# Altium PCB C210.PcbDoc (part 8 of 8)
Units mm, origin at the board's own origin, x right, y up, seen from the top; angles counter-clockwise.
Board outline 68 x 129.25 mm, 6 copper layers (L1, L2, L3, L4, L5, L6), stack 1.547 mm thick; 512 components, 298 nets, 1774 pads, 1892 vias.
Unrouted connection lines stored in the file: 306.
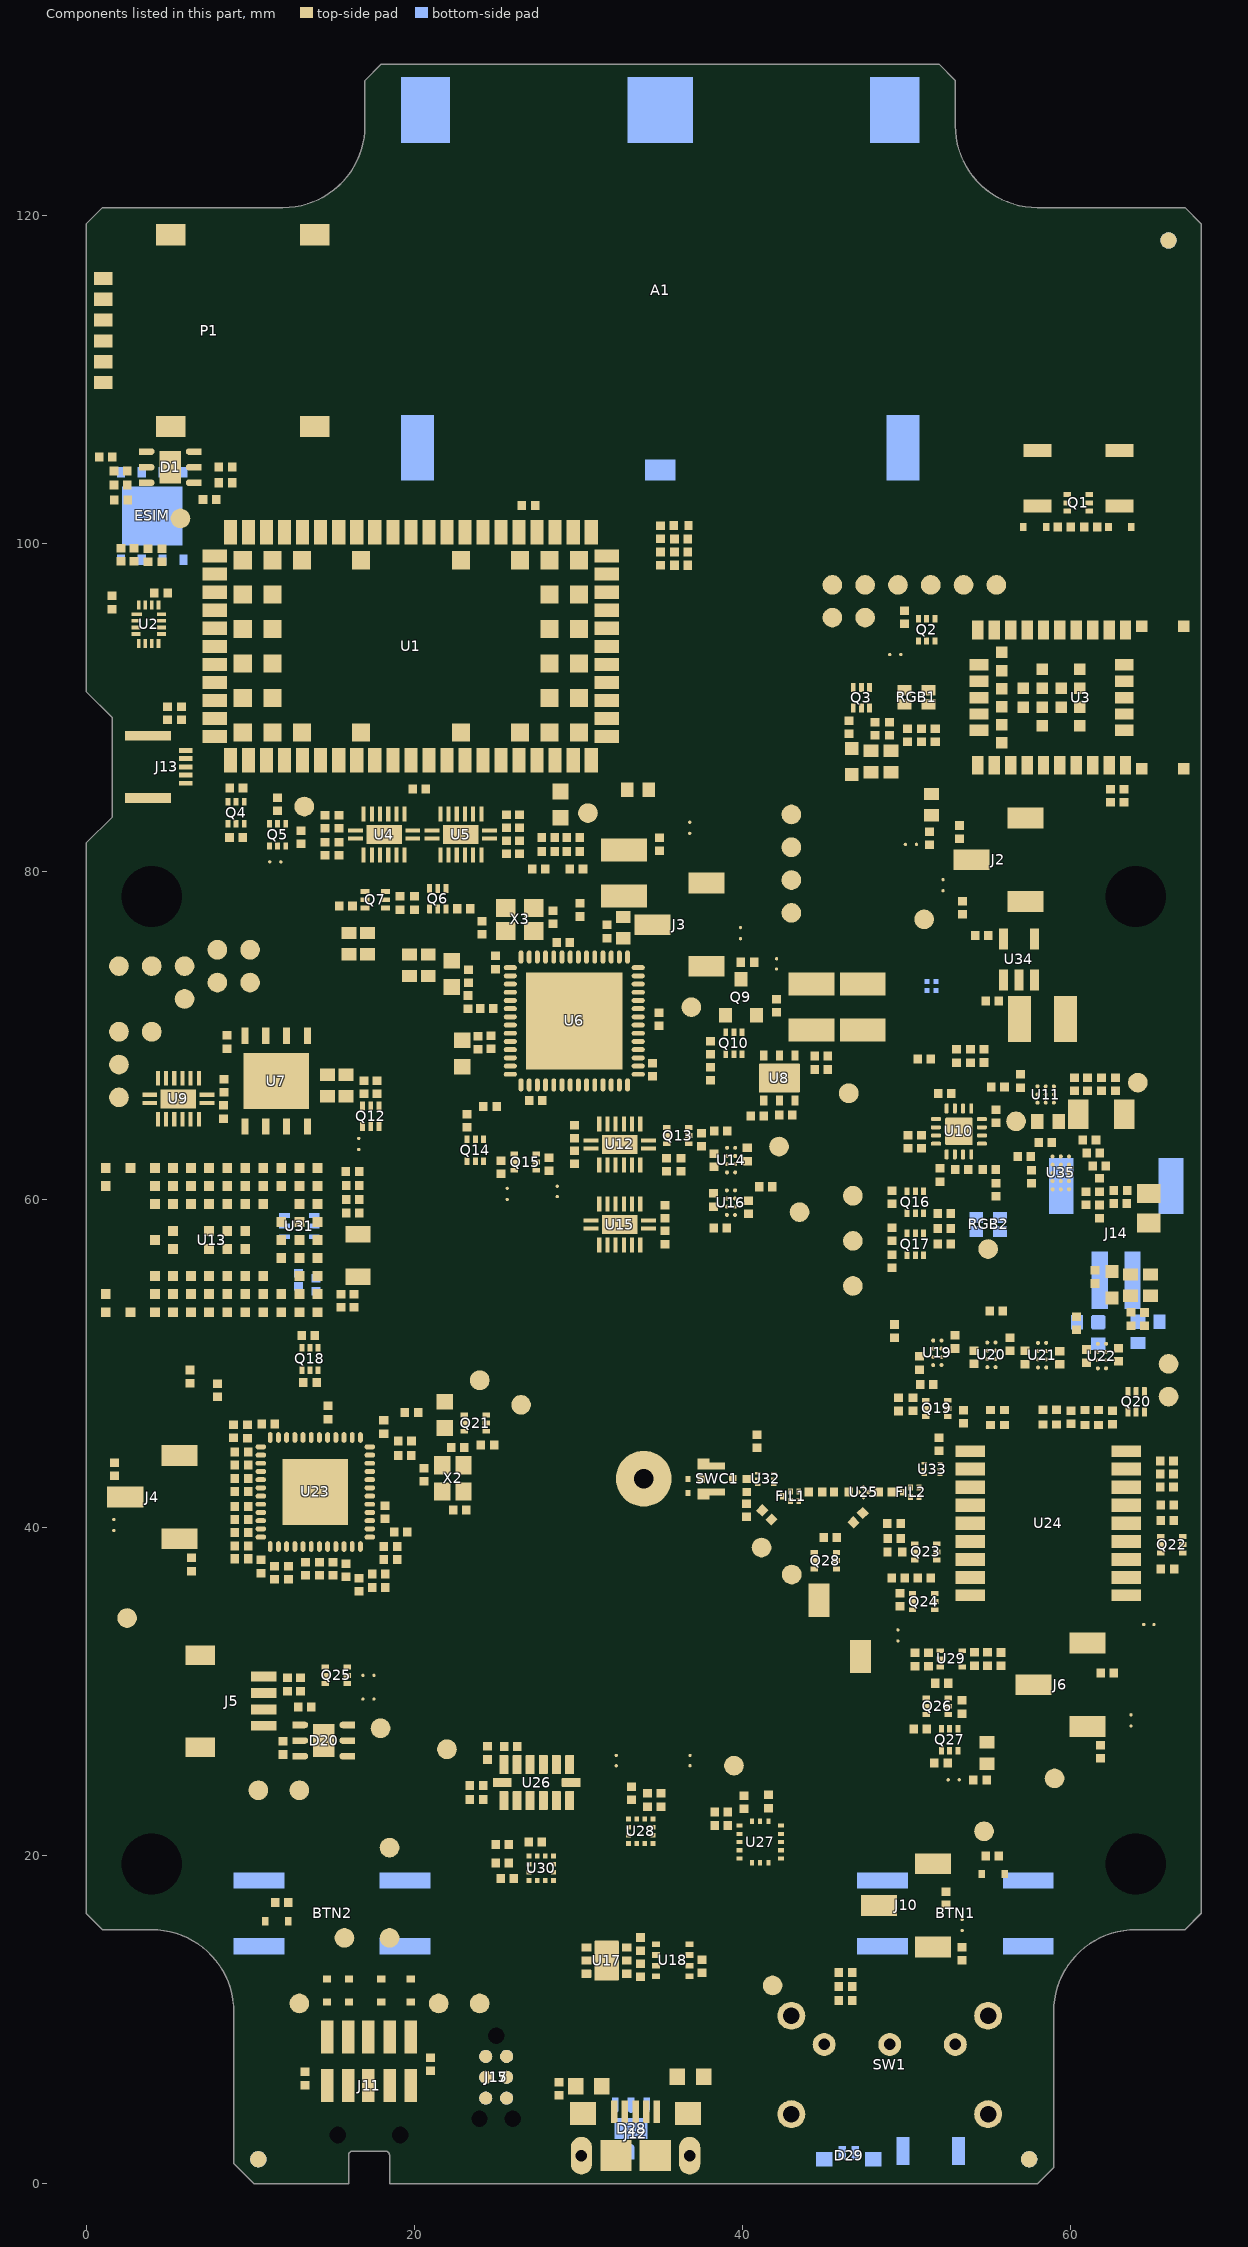
[diagram p12: the components of this part, seen from the top]

## Silkscreen, mask and mechanical layers (free items; w line width, h text height) (continued)
Drill Drawing:
  circle w0.254: c92.667,113.897 r0.443
  circle w0.254: c92.667,113.897 r0.739
  rectangle: 204.513,-2.528 209.339,-0.115
  lines w0.2: 204.513,-2.528 227.881,-2.528 227.881,-0.115 204.513,-0.115 204.513,-2.528
  lines w0.254: 91.928,89.886 92.667,90.255 93.406,89.886 93.036,90.625 93.406,91.363 92.667,90.994 91.928,91.363 92.297,90.625 91.928,89.886 ; 91.928,93.58 92.297,93.58 92.667,93.21 93.036,93.58 93.406,93.58 93.036,93.949 93.406,94.319 93.036,94.319 92.667,94.688 92.297,94.319 91.928,94.319 92.297,93.949 91.928,93.58 ; 91.928,96.535 93.406,96.535 93.406,98.013 91.928,98.013 91.928,96.535 ; 91.928,100.599 92.667,99.86 93.406,100.599 92.667,101.337 91.928,100.599 ; 91.928,103.554 92.297,103.554 92.297,103.185 93.036,103.185 93.036,103.554 93.406,103.554 93.406,104.293 93.036,104.293 93.036,104.662 92.297,104.662 92.297,104.293 91.928,104.293 91.928,103.554 ; 91.928,106.509 93.406,106.509 93.406,107.987 91.928,107.987 91.928,106.509 ; 91.928,109.834 91.928,110.203 92.297,110.573 91.928,110.942 91.928,111.312 92.297,111.312 92.667,110.942 93.036,111.312 93.406,111.312 93.406,110.942 93.036,110.573 93.406,110.203 93.406,109.834 93.036,109.834 92.667,110.203 92.297,109.834 91.928,109.834 ; 92.224,106.805 93.11,106.805 93.11,107.691 92.224,107.691 92.224,106.805
  lines w0.381: 90.593,88.888 207.281,88.888 ; 90.593,115.486 207.281,115.486 ; 102.906,85.564 102.906,118.811 ; 118.477,85.564 118.477,118.811 ; 148.405,85.564 148.405,118.811 ; 159.721,85.564 159.721,118.811 ; 176.089,85.564 176.089,118.811 ; 90.593,85.564 207.281,85.564 207.281,118.811 90.593,118.811 90.593,85.564
  text "All drill holes and slots are +/- 5mil tolerance" at 92.45,119.525 h1.52
  text "Symbol" at 92.588,116.483 h1.6
  text "Hit Count" at 103.904,116.483 h1.6
  text "Finished Hole Size" at 119.474,116.483 h1.6
  text "Plated" at 149.402,116.483 h1.6
  text "Hole Type" at 160.719,116.483 h1.6
  text "Routed Path Length" at 177.087,116.483 h1.6
  text "1892" at 103.904,113.159 h1.33
  text "0.305mm (12.00mil)" at 119.474,113.159 h1.33
  text "PTH" at 149.402,113.159 h1.33
  text "Round" at 160.719,113.159 h1.33
  text "-" at 177.087,113.159 h1.33
  text "3" at 103.904,109.834 h1.33
  text "0.700mm (27.56mil)" at 119.474,109.834 h1.33
  text "PTH" at 149.402,109.834 h1.33
  text "Round" at 160.719,109.834 h1.33
  text "-" at 177.087,109.834 h1.33
  text "2" at 103.904,106.509 h1.33
  text "0.700mm (27.56mil)" at 119.474,106.509 h1.33
  text "PTH" at 149.402,106.509 h1.33
  text "Slot" at 160.719,106.509 h1.33
  text "1.000mm (39.37mil)" at 177.087,106.509 h1.33
  text "3" at 103.904,103.185 h1.33
  text "1.000mm (39.37mil)" at 119.474,103.185 h1.33
  text "NPTH" at 149.402,103.185 h1.33
  text "Round" at 160.719,103.185 h1.33
  text "-" at 177.087,103.185 h1.33
  text "4" at 103.904,99.86 h1.33
  text "1.000mm (39.37mil)" at 119.474,99.86 h1.33
  text "PTH" at 149.402,99.86 h1.33
  text "Round" at 160.719,99.86 h1.33
  text "-" at 177.087,99.86 h1.33
  text "2" at 103.904,96.535 h1.33
  text "1.020mm (40.16mil)" at 119.474,96.535 h1.33
  text "NPTH" at 149.402,96.535 h1.33
  text "Round" at 160.719,96.535 h1.33
  text "-" at 177.087,96.535 h1.33
  text "1" at 103.904,93.21 h1.33
  text "1.200mm (47.24mil)" at 119.474,93.21 h1.33
  text "PTH" at 149.402,93.21 h1.33
  text "Round" at 160.719,93.21 h1.33
  text "-" at 177.087,93.21 h1.33
  text "4" at 103.904,89.886 h1.33
  text "3.700mm (145.67mil)" at 119.474,89.886 h1.33
  text "NPTH" at 149.402,89.886 h1.33
  text "Round" at 160.719,89.886 h1.33
  text "-" at 177.087,89.886 h1.33
  text "1911 Total" at 103.904,86.561 h1.33
  text "Slot definitions :" at 92.588,83.283 h1.33
  text "Routed Path Length" at 115.567,83.283 h1.33
  text "= Calculated from tool start centre position to tool end centre position." at 140.098,83.283 h1.33
  text "Hole Length" at 115.567,81.002 h1.33
  text "= Routed Path Length + Tool Size = Slot length as defined in the PCB layout" at 131.014,81.002 h1.33
  text ".Layer_Name" at 211.117,-1.842 h1.02
Ground Plane 1:
  pour cut-out: 21.488,49.216 21.488,50.451 cw(c24.028,50.451) 24.028,52.991 43.923,52.991 cw(c43.923,50.451) 46.463,50.451 46.463,30.465 cw(c43.923,30.465) 43.923,27.925 23.928,27.925 cw(c23.928,30.465) 21.388,30.465 21.388,32.291
  region: 34.075,105.15 34.075,103.85 35.925,103.85 35.925,105.15
  region: 33.025,128.45 33.025,124.45 36.984,124.45 36.984,128.45
  region: 47.8,128.45 47.8,124.45 50.8,124.45 50.8,128.45
  region: 19.2,128.45 19.2,124.45 22.2,124.45 22.2,128.45
  region: 48.8,107.85 50.8,107.85 50.8,103.85 48.8,103.85
  region: 19.2,107.85 21.2,107.85 21.2,103.85 19.2,103.85
  pour cut-out: 8.525,101.975 59.525,101.975 59.525,68.988 8.525,68.988
  lines w0.127: 33,40.5 35,40.5 ; 33.988,39.5 33.988,41.5 34.037,41.5 ; 19,103.8 19,128.8 51,128.8 51,103.8 19,103.8
  text "PCS.66.A" at 29.875,117.827 h3
  text "2.4GHz antenna / (WiFi)" at 65.775,88.775 h3
  text "Extents of 51x33x6mm Li-ion pack on antenna (PCB bottom, but product top) side. / Ground Plane continuous through this area." at 10.575,87.525 h3
  text "2.4GHz antenna / (BLE)" at -15.9,55.8 h3
  text "Extents of 25mm GNSS antenna. / Ground Plane continuous through this area." at 23,41.5 h3
Ground Plane 2:
  pour cut-out: 21.449,49.409 21.449,50.644 cw(c23.989,50.644) 23.989,53.184 43.884,53.184 cw(c43.884,50.644) 46.424,50.644 46.424,30.657 cw(c43.884,30.657) 43.884,28.117 23.889,28.117 cw(c23.889,30.657) 21.349,30.657 21.349,32.484
  region: 19.2,107.85 21.2,107.85 21.2,103.85 19.2,103.85
  region: 48.8,107.85 50.8,107.85 50.8,103.85 48.8,103.85
  region: 19.2,128.45 19.2,124.45 22.2,124.45 22.2,128.45
  region: 47.8,128.45 47.8,124.45 50.8,124.45 50.8,128.45
  region: 33.025,128.45 33.025,124.45 36.984,124.45 36.984,128.45
  region: 34.075,105.15 34.075,103.85 35.925,103.85 35.925,105.15
  pour cut-out: 8.5,102 59.5,102 59.5,69.013 8.5,69.013
  lines w0.127: 33,40.5 35,40.5 ; 33.988,39.5 33.988,41.5 34.037,41.5 ; 19,103.8 19,128.8 51,128.8 51,103.8 19,103.8
  text "PCS.66.A" at 28.875,117.827 h3
  text "2.4GHz antenna / (WiFi)" at 65.775,88.775 h3
  text "Extents of 51x33x6mm Li-ion pack on antenna (PCB bottom, but product top) side. / Ground Plane continuous through this area." at 10.575,87.525 h3
  text "2.4GHz antenna / (BLE)" at -15.9,55.8 h3
  text "Extents of 25mm GNSS antenna. / Ground Plane continuous through this area." at 23,41.5 h3

## Dimensions
-0.05,16.5 to 9,1.25 on Coutryard Bottom
0,16.5 to 68,16.5 on Coutryard Bottom
10.25,0 to 1.096,120.596 on Coutryard Bottom
10.25,0 to -15.9,55.8 on Coutryard Bottom
68,108.5 to 58,0 on Coutryard Bottom
58,0 to 68,68.902 on Coutryard Bottom
0,16.5 to 59,1 on Coutryard Bottom
33.988,39.5 to 58,0.5 on Coutryard Bottom
68,86.627 to 58,0 on Coutryard Bottom
10.25,0 to 1,15.5 on Coutryard Bottom
0,119.5 to 53.981,121 on Coutryard Bottom
10.25,0 to 1,15.5 on Coutryard Bottom
68,86.627 to 58,0 on Coutryard Bottom
33.988,39.5 to 58,0.5 on Coutryard Bottom
0,16.5 to 59,1 on Coutryard Bottom
-0.05,16.5 to 9,1.25 on Coutryard Bottom
58,0 to 68,68.902 on Coutryard Bottom
68,120.5 to 58,0 on Coutryard Bottom
-0.025,119.35 to 16,120.5 on Coutryard Bottom
10.25,0 to -15.9,55.8 on Coutryard Bottom
10.25,0 to 1.096,120.596 on Coutryard Bottom
0,16.5 to 68,16.5 on Coutryard Bottom